# Altium PCB rf_test_source.PcbDoc (part 1 of 2) (continued)
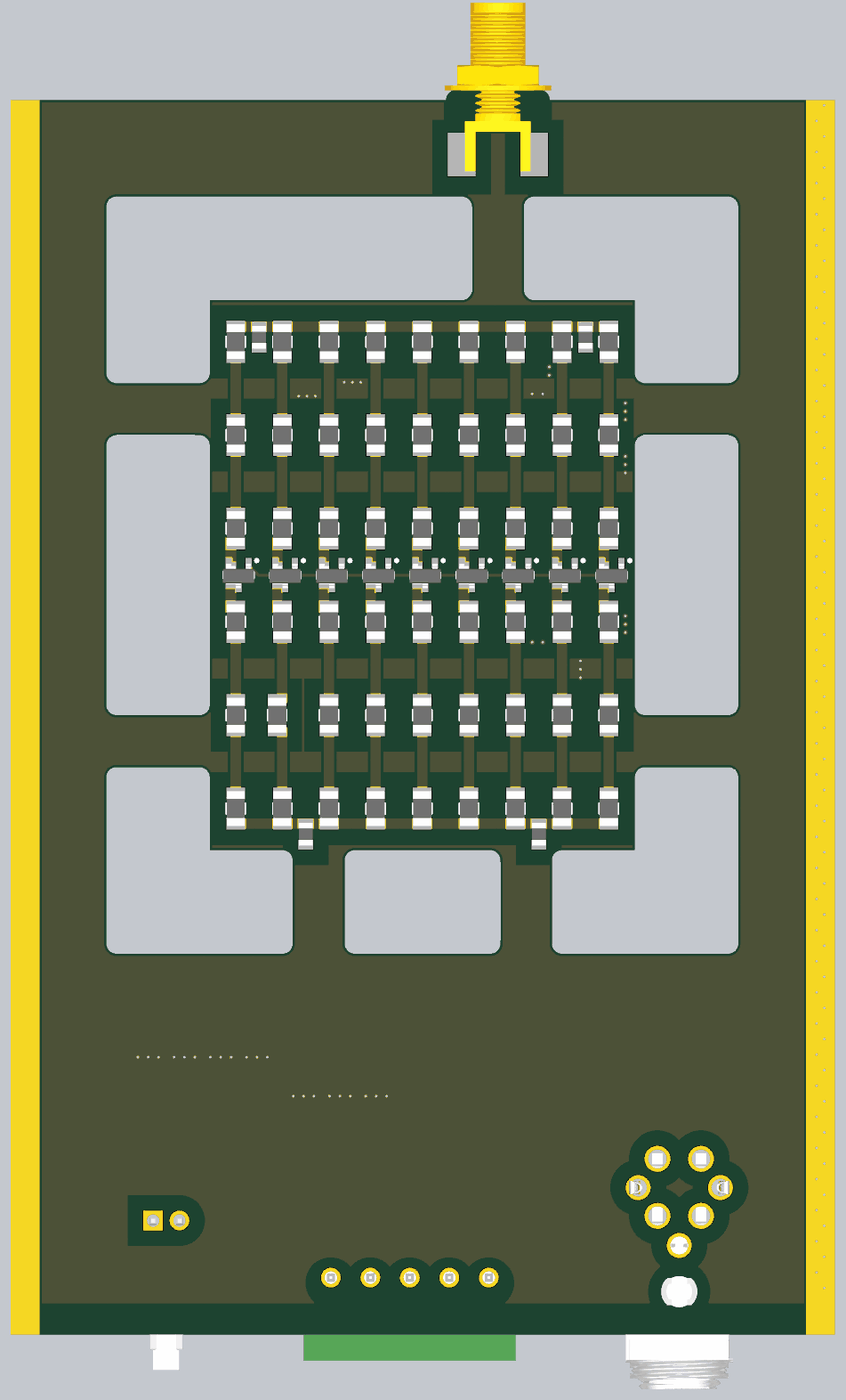
[diagram p6: 3D render of the assembled board from below, using the file's embedded part models]

## Layer stack, top to bottom
Top Solder: solder mask 0.0152, Solder Resist, Dk 3.8
Top Layer: signal copper 0.035
Dielectric 1: prepreg 0.138, PP-006, Dk 4.4
GND: signal copper 0.035
Core: dielectric 1.13, FR-4, Dk 4.6
Inner Layer 2: signal copper 0.035
Dielectric 3: prepreg 0.138, PP-006, Dk 4.4
Bottom Layer: signal copper 0.035
Bottom Solder: solder mask 0.0152, Solder Resist, Dk 3.8

## Board outline
0,0 0,119 79.5,119 79.5,0
cut-out: 33.275,36.715 cw(c33.25,37.715) 32.25,37.715 32.25,45.715 cw(c33.25,45.715) 33.275,46.715 33.3,46.715 46.3,46.715 cw(c46.3,45.715) 47.3,45.715 47.3,37.715 cw(c46.3,37.715) 46.3,36.715
cut-out: 52.3,37.715 52.3,45.715 cw(c53.3,45.715) 53.3,46.715 60.3,46.715 60.3,53.715 cw(c61.3,53.715) 61.3,54.715 69.3,54.715 cw(c69.3,53.715) 70.3,53.715 70.3,37.715 cw(c69.3,37.715) 69.298,36.715 63.298,36.715 53.3,36.715 cw(c53.3,37.715)
cut-out: 9.3,37.717 9.3,43.717 9.3,53.715 cw(c10.3,53.715) 10.3,54.715 18.3,54.715 cw(c18.3,53.715) 19.3,53.715 19.3,46.715 26.3,46.715 cw(c26.3,45.715) 27.3,45.715 27.3,37.715 cw(c26.3,37.715) 26.3,36.715 10.3,36.715 cw(c10.3,37.715)
cut-out: 60.853,59.82 cw(c61.3,60.715) 60.3,60.715 60.3,85.715 cw(c61.3,85.715) 61.3,86.715 69.3,86.715 cw(c69.3,85.715) 70.3,85.715 70.3,60.715 cw(c69.3,60.715) 69.3,59.715 61.3,59.715 cw(c61.3,60.715)
cut-out: 9.853,59.82 cw(c10.3,60.715) 9.3,60.715 9.3,85.715 cw(c10.3,85.715) 10.3,86.715 18.3,86.715 cw(c18.3,85.715) 19.3,85.715 19.3,60.715 cw(c18.3,60.715) 18.3,59.715 10.3,59.715 cw(c10.3,60.715)
cut-out: 60.853,59.82 cw(c61.3,60.715) 60.3,60.715 60.3,85.715 cw(c61.3,85.715) 61.3,86.715 69.3,86.715 cw(c69.3,85.715) 70.3,85.715 70.3,60.715 cw(c69.3,60.715) 69.3,59.715 61.3,59.715 cw(c61.3,60.715)
cut-out: 36,99.715 cw(c36,100.715) 35,100.715 35,108.5 35.005,108.608 cw(c36,108.715) 36,109.715 69.3,109.715 cw(c69.3,108.715) 70.3,108.715 70.3,92.715 cw(c69.3,92.715) 69.3,91.715 61.3,91.715 cw(c61.3,92.715) 60.3,92.715 60.3,99.715
cut-out: 27.5,117 27.5,119 cw(c28.5,119) 28.5,120 36.5,120 cw(c36.5,119) 37.5,119 37.5,117 cw(c36.5,117) 36.5,116 28.5,116 cw(c28.5,117)
cut-out: 10.3,91.715 cw(c10.3,92.715) 9.3,92.715 9.3,108.715 cw(c10.3,108.715) 10.3,109.715 29,109.715 cw(c29,108.715) 30,108.715 30,100.715 cw(c29,100.715) 29,99.715 19.3,99.715 19.3,92.715 cw(c18.3,92.715) 18.3,91.715

## Design rules (kind name [scope] priority, off if disabled: settings)
AcuteAngle [All] p1: minimum=4.50000000000000E+0001 checktracksonly=TRUE
BoardOutlineClearance [All] p1: gap=0.2 ignorepadtopadclearanceinfootprint=FALSE
Clearance Clearance_balancing [InNamedPolygon('balancing')] p1: gap=0.21 ignorepadtopadclearanceinfootprint=FALSE except(0.25: Arc-Fill Arc-Poly Arc-Region Track-Fill Track-Poly Track-Region; 0.5: Via-Fill Via-Poly Via-Region; 1.5: SMDPad-Fill SMDPad-Poly SMDPad-Region THPad-Fill THPad-Poly THPad-Region)
Clearance Clearance_ViaInPadThermal [IsPad and InNet('GND') vs IsVia] p2: gap=0 ignorepadtopadclearanceinfootprint=FALSE except(-1: SMDPad-Via THPad-Via)
Clearance Clearance_ViaInPad [IsPad vs IsVia] p3: gap=0 ignorepadtopadclearanceinfootprint=FALSE except(0.01: SMDPad-Via)
Clearance Clearance_DiffPairs [(InDifferentialPairClass('All Differential Pairs'))] p4: gap=0.127 ignorepadtopadclearanceinfootprint=FALSE except(0.12: Arc-Arc Arc-Track Track-Track; 0.25: Arc-Hole Track-Hole SMDPad-Hole THPad-Hole Via-Hole Fill-Hole Poly-Hole Region-Hole Text-Hole; 0.5: Arc-Fill Arc-Poly Arc-Region Track-Fill Track-Poly Track-Region)
Clearance [All] p5: gap=0.127 ignorepadtopadclearanceinfootprint=FALSE except(0.12: Arc-Arc Arc-Track Track-Track; 0.25: Arc-Hole Track-Hole SMDPad-Hole THPad-Hole Via-Hole Fill-Hole Poly-Hole Region-Hole Text-Hole)
DiffPairsRouting DiffPairsRouting_ETH [InDifferentialPairClass('ETH')] p1: maxlimit=0.254 minlimit=0.15 mostfreqgap=0.254 toplayer_mingap=0.18 toplayer_maxgap=0.18 toplayer_prefgap=0.18 toplayer_minwidth=0.19 toplayer_maxwidth=0.19 toplayer_prefwidth=0.19 bottomlayer_mingap=0.18 bottomlayer_maxgap=0.18 bottomlayer_prefgap=0.18 bottomlayer_minwidth=0.19 bottomlayer_maxwidth=0.19 bottomlayer_prefwidth=0.19 impedanceprofiledriven=TRUE impedanceprofileid={9262DCC5-21B2-42F0-AE62-9C07079FD9D1} impedanceprofilevalue=100.000000 maxuncoupledlength=12.7
DiffPairsRouting DiffPairsRouting_USB [InDifferentialPairClass('USB')] p2: maxlimit=0.254 minlimit=0.12 mostfreqgap=0.254 toplayer_mingap=0.165 toplayer_maxgap=0.165 toplayer_prefgap=0.165 toplayer_minwidth=0.23 toplayer_maxwidth=0.23 toplayer_prefwidth=0.23 bottomlayer_mingap=0.165 bottomlayer_maxgap=0.165 bottomlayer_prefgap=0.165 bottomlayer_minwidth=0.23 bottomlayer_maxwidth=0.23 bottomlayer_prefwidth=0.23 impedanceprofiledriven=TRUE impedanceprofileid={8D4277C8-22E8-44B8-81B9-C39E21E3F32A} impedanceprofilevalue=90.000000 maxuncoupledlength=12.7
DiffPairsRouting [All] p3: maxlimit=0.102 minlimit=0.102 mostfreqgap=0.102 toplayer_minwidth=0.102 toplayer_maxwidth=1816.048 toplayer_prefwidth=0.102 midlayer1_minwidth=0.102 midlayer1_maxwidth=1816.048 midlayer1_prefwidth=0.102 midlayer2_minwidth=0.102 midlayer2_maxwidth=1816.048 midlayer2_prefwidth=0.102 bottomlayer_minwidth=0.102 bottomlayer_maxwidth=1816.048 bottomlayer_prefwidth=0.102 maxuncoupledlength=12.7
Height [All] p1: minheight=0 maxheight=1816.048 prefheight=12.7
HoleSize [All] p1: absolutevalues=TRUE maxlimit=6.3 minlimit=0.2 maxpercent=80.000 minpercent=20.000
HoleToHoleClearance [All] p1: gap=0.25 allowstackedmicrovias=FALSE
MinimumAnnularRing [All] p1: minimumring=0.076
MinimumSolderMaskSliver [All] p1: minsoldermaskwidth=0
PlaneClearance [All] p1: clearance=0.102
PlaneConnect PlaneConnectPowerPads [InPadClass('PowerPads')] p1: planeconnectstyle=Direct reliefexpansion=0.508 reliefentries=4 reliefconductorwidth=0.254 reliefairgap=0.254
PlaneConnect [All] p2: pad.planeconnectstyle=Relief pad.reliefexpansion=0.3 pad.reliefentries=4 pad.reliefconductorwidth=0.102 pad.reliefairgap=0.102 via.planeconnectstyle=Direct via.reliefexpansion=0.3 via.reliefentries=4 via.reliefconductorwidth=0.127 via.reliefairgap=0.127
PolygonConnect PolygonConnectPowerPads [All vs (InPadClass('PowerPads'))] p1: connectstyle=Direct reliefconductorwidth=0.254 reliefentries=4 polygonreliefangle="90 Angle" airgapwidth=0.254
PolygonConnect [All] p2: thpad.connectstyle=Relief thpad.reliefconductorwidth=0.102 thpad.reliefentries=4 thpad.polygonreliefangle="90 Angle" thpad.airgapwidth=0.102 smdpad.connectstyle=Direct smdpad.reliefconductorwidth=0.102 smdpad.reliefentries=4 smdpad.polygonreliefangle="90 Angle" smdpad.airgapwidth=0.102 via.connectstyle=Direct via.reliefconductorwidth=0.127 via.reliefentries=4 via.polygonreliefangle="90 Angle" via.airgapwidth=0.127
RoutingVias [All] p1: holewidth=0.25 width=0.5 viastyle="Through Hole" minholewidth=0.25 minwidth=0.5 maxholewidth=6.3 maxwidth=6.55
SilkToSilkClearance [All] p1: silktosilkclearance=0
SilkToSolderMaskClearance [IsPad] p1: minsilkscreentomaskgap=0.102 clearancetoexposedcopper=TRUE
SolderMaskExpansion [IsVia] p1: expansion=0.075 istentingtop=TRUE
SolderMaskExpansion SolderMaskExpansion_Via [All] p2: expansion=0.075 istentingtop=FALSE
Width [All] p1: maxlimit=1816.048 minlimit=0.152 preferedwidth=0.254
21 further rules are at their usual default settings.

## Classes and differential pairs
net class PWR: P12V0
net class 50Ohm: RF_FLT_IN RF_FLT_OUT

## Components (designator, comment, footprint, x,y, rotation, side; value= is the part's Value field where it differs from the comment)
C1 "100nF" CAPC1608X87N 47.309,53.465 r180 top
C2 "100nF" CAPC1608X87N 49.8,60.215 r270 top
C3 "100nF" CAPC1608X87N 47.309,54.965 r180 top
C4 "22uF" CAPC3225X140N 22.25,16 r90 top
C5 "22uF" CAPC3225X140N 44.25,20.5 r270 top
C6 "22uF" CAPC3225X140N 47.75,20.5 r270 top
C7 "100nF" CAPC1608X87N 47.309,51.965 r0 top
C8 "100nF" CAPC1608X87N 43.3,51.215 r0 top
C9 "100nF" CAPC1608X87N 37.55,51.965 r90 top
C10 "470pF" CAPC1005X55N 58.3,15 r180 top
C11 "22uF" CAPC3225X140N 51.25,20.5 r270 top
C12 "22uF" CAPC3225X140N 55.75,24.25 r270 top
C13 "22uF" CAPC3225X140N 59.25,24.25 r270 top
C14 "22uF" CAPC3225X140N 62.75,24.25 r270 top
C15 "22pF" CAPC1005X55N 56,15 r0 top
C16 "22uF" CAPC3225X140N 66.25,24.25 r270 top
C17 "4.7uF" CAPC3216X180N 69.75,17.5 r270 top
C18 "100pF" CAPC1608X87N 28.8,54.715 r270 top
C19 "4.7uF" CAPC3216X180N 62.75,15.25 r270 top
C20 "22uF" CAPC2012X135N 27.8,57.465 r180 top
C21 "4.7uF" CAPC3216X180N 51.852,54.465 r90 top
C22 "100nF" CAPC1608X87N 55.05,49.465 r180 top
C23 "4.7uF" CAPC3216X180N 58.3,54.465 r90 top
C24 "1uF" CAPC1608X87N 43.946,60.465 r180 top
C25 "100nF" CAPC1005X55N 41.05,60.742 r0 top
C26 "100nF" CAPC1005X55N 25.3,50.953 r90 top
C27 "10uF" CAPC2012X135N 27.8,51.965 r180 top
C28 "100nF" CAPC1005X55N 23.25,59 r0 top
C29 "100nF" CAPC1608X87N 55.05,70.465 r0 top
C30 "22uF" CAPC3225X140N 53.1,61.1 r0 top
D1 "SMBJ12A" DIOM5336X265N 45.5,14 r270 top
D2 "BZX84C6V2" SOT95P248X115-3N 31.55,54.715 r270 top
FL1 "10A/50VDC" FIL_MURATA_BNX02 33.5,16 r0 top
FLT1 "BPF-E16+" HR1176 36.3,78.715 r90 top
FLT2 "BPF-C45+" HU1186 36.3,78.715 r0 top
IC1 "LTC6957IDD-3#PBF" SON45P300X300X80-13N-R175X248 41.05,54.215 r180 top
IC2 "MPM3630GQV-Z" MPM3610A 56.5,19.25 r90 top
IC3 "ADA4522-2ARMZ" SOP65P490X110-8N 24.023,55.215 r270 top
IC4 "LT3042EMSE#PBF" SOP50P490X110-11N-R168X198 66.25,18.25 r270 top
IC5 "LT3042EMSE#PBF" SOP50P490X110-11N-R168X198 55.05,53.715 r90 top
IC6 "TMP235A2DBZR" FP-DBZ0003A-MFG 40.3,58.215 r270 top
IC7 "LTC6655BHMS8-3.3#PBF" SOP65P490X110-8N 55.05,66.215 r270 top
J1 "Mini-Fit Jr.™" MOLEX_39-30-0040 15,14.2 r180 top
J2 "SMA" MOLEX_73251-2121 32.5,113.75 r270 top
J3 "Jack" SWITCHCRAFT_712RA 15,8.6 r0 top
J4 "" PHOENIX_1803303 41,5.5 r0 top
J5 "KK®" MOLEX_22-05-7028 64.5,11 r180 top
LD1 "Green" LED_KINGBRIGHT_KPH-1608CGCK 18,29.5 r90 top
LD2 "Green" LED_KINGBRIGHT_KPH-1608CGCK 15,29.5 r90 top
LD3 "Green" LED_KINGBRIGHT_KPH-1608CGCK 12,29.5 r90 top
OSC1 "12-16MHz" OSC_TAITIEN_3.2X2.5X1.0 47.298,57.965 r0 top value=12-16Mhz
R1 "75" RESC1608X55N 49.8,55.715 r270 top
R2 "36R5" RESC1005X40N 37.5,54.2 r180 top
R3 "100" RESC1608X64N 49.8,52.715 r90 top
R4 "50" RES_VISHAY_FC0603 44.8,54.215 r270 top
R5 "0" RESC1608X55N 44.746,57.965 r270 top
R6 "0" RESC1608X55N 37.8,57.215 r270 top
R7 "0" RESC1608X55N 40.05,51.215 r180 top
R8 "0" RESC1608X55N 43.05,57.965 r90 top
R9 "0" RESC1608X55N 46.596,49.421 r180 top
R10 "0" RESC1608X55N 43.346,49.421 r0 top
R11 "4R7" RESC1005X40N 58.28,16.25 r180 top
R12 "100k" RESC1005X40N 52,15.75 r270 top
R13 "0" RESC1608X55N 49.846,49.421 r180 top
R14 "0" RESC1608X55N 40.046,49.421 r0 top
R15 "10k" RESC1005X40N 53.25,15.75 r90 top
R16 "51k" RESC1005X40N 56,13.75 r0 top
R17 "0" RESC2012X60N 41,9.25 r90 top
R18 "1k" RESC1608X55N 23.05,50.965 r0 top
R19 "5k62" RESC1005X40N 56,16.25 r180 top
R20 "0" RESC2012X60N 28.55,48.25 r270 bottom
R21 "0" RESC2012X60N 51.05,48.25 r270 bottom
R22 "1k" RESC1608X55N 21.25,54.75 r270 top
R23 "43" RESC3216X65N 57.8,50.715 r270 bottom
R24 "43" RESC3216X65N 53.3,50.715 r270 bottom
R25 "43" RESC3216X65N 48.8,50.715 r270 bottom
R26 "43" RESC3216X65N 44.3,50.715 r270 bottom
R27 "43" RESC3216X65N 39.8,50.715 r270 bottom
R28 "43" RESC3216X65N 35.3,50.715 r270 bottom
R29 "43" RESC3216X65N 30.8,50.715 r270 bottom
R30 "43" RESC3216X65N 26.3,50.715 r270 bottom
R31 "43" RESC3216X65N 21.8,50.715 r270 bottom
R32 "49k9" RESC1608X55N 66,13.75 r180 top
R33 "43" RESC3216X65N 57.8,59.715 r270 bottom
R34 "43" RESC3216X65N 53.8,59.715 r270 bottom
R35 "43" RESC3216X65N 48.8,59.715 r270 bottom
R36 "43" RESC3216X65N 44.3,59.715 r270 bottom
R37 "43" RESC3216X65N 39.8,59.715 r270 bottom
R38 "43" RESC3216X65N 35.3,59.715 r270 bottom
R39 "43" RESC3216X65N 30.8,59.715 r270 bottom
R40 "43" RESC3216X65N 26.3,59.715 r270 bottom
R41 "43" RESC3216X65N 21.8,59.715 r270 bottom
R42 "10M" RESC1608X55N 26.8,54.715 r270 top
R43 "43" RESC3216X65N 57.8,68.715 r270 bottom
R44 "43" RESC3216X65N 53.3,68.715 r270 bottom
R45 "43" RESC3216X65N 48.8,68.715 r270 bottom
R46 "43" RESC3216X65N 44.3,68.715 r270 bottom
R47 "43" RESC3216X65N 39.8,68.715 r270 bottom
R48 "43" RESC3216X65N 35.3,68.715 r270 bottom
R49 "43" RESC3216X65N 30.8,68.715 r270 bottom
R50 "43" RESC3216X65N 26.3,68.715 r270 bottom
R51 "43" RESC3216X65N 21.8,68.715 r270 bottom
R52 "0" RESC1608X55N 58.275,73.215 r270 bottom
R53 "0" RESC1608X55N 53.775,73.215 r270 bottom
R54 "0" RESC1608X55N 49.275,73.215 r270 bottom
R55 "0" RESC1608X55N 44.775,73.215 r270 bottom
R56 "0" RESC1608X55N 40.275,73.215 r270 bottom
R57 "0" RESC1608X55N 35.775,73.215 r270 bottom
R58 "0" RESC1608X55N 31.275,73.215 r270 bottom
R59 "0" RESC1608X55N 26.775,73.215 r270 bottom
R60 "0" RESC1608X55N 22.275,73.215 r270 bottom
R61 "1k" RESC1608X55N 31.25,59.5 r0 top
R62 "100k" RESC1608X55N 31.25,57.75 r180 top
R63 "10k" RESC1608X55N 31.3,51.715 r180 top
R64 "33k2" RESC1608X55N 54.05,57.915 r0 top
R65 "43" RESC3216X65N 57.8,77.715 r270 bottom
R66 "43" RESC3216X65N 53.3,77.715 r270 bottom
R67 "43" RESC3216X65N 48.8,77.715 r270 bottom
R68 "43" RESC3216X65N 44.3,77.715 r270 bottom
R69 "43" RESC3216X65N 39.8,77.715 r270 bottom
R70 "43" RESC3216X65N 35.3,77.715 r270 bottom
R71 "43" RESC3216X65N 30.8,77.715 r270 bottom
R72 "43" RESC3216X65N 26.3,77.715 r270 bottom
R73 "43" RESC3216X65N 21.8,77.715 r270 bottom
R74 "0" RESC1005X40N 34.25,60.5 r180 top
R75 "43" RESC3216X65N 57.8,86.715 r270 bottom
R76 "43" RESC3216X65N 53.3,86.715 r270 bottom
R77 "43" RESC3216X65N 48.8,86.715 r270 bottom
R78 "43" RESC3216X65N 44.3,86.715 r270 bottom
R79 "43" RESC3216X65N 39.8,86.715 r270 bottom
R80 "43" RESC3216X65N 35.3,86.715 r270 bottom
R81 "43" RESC3216X65N 30.8,86.715 r270 bottom
R82 "43" RESC3216X65N 26.3,86.715 r270 bottom
R83 "43" RESC3216X65N 21.8,86.715 r270 bottom
R84 "1k" RESC1608X55N 56.388,58.663 r270 top
R85 "10k" RESC1608X55N 23.55,60.469 r0 top
R86 "43" RESC3216X65N 57.8,95.715 r270 bottom
R87 "43" RESC3216X65N 53.3,95.715 r270 bottom
R88 "43" RESC3216X65N 48.8,95.715 r270 bottom
R89 "43" RESC3216X65N 44.3,95.715 r270 bottom
R90 "43" RESC3216X65N 39.8,95.715 r270 bottom
R91 "43" RESC3216X65N 35.3,95.715 r270 bottom
R92 "43" RESC3216X65N 30.8,95.715 r270 bottom
R93 "43" RESC3216X65N 26.3,95.715 r270 bottom
R94 "43" RESC3216X65N 21.8,95.715 r270 bottom
R95 "0" RESC2012X60N 24.05,96.15 r90 bottom
R96 "0" RESC2012X60N 55.55,96.15 r90 bottom
R97 "0" RESC1005X40N 33,97 r180 top
R98 "20k" RESC1608X55N 26.8,60.465 r0 top
R99 "0" RESC1005X40N 35.25,60.5 r0 top
R100 "0" RESC1005X40N 32,97 r0 top
R101 "2k4" RESC1005X40N 18,32.5 r270 top
R102 "5k1" RESC1005X40N 15,32.5 r270 top
R103 "10k" RESC1005X40N 12,32.5 r90 top
RT1 "10k" THERMC1608X90N 37.8,60.465 r90 top
T1 "PMV40UN2" SOT95P230X110-3N 57.525,73.215 r270 bottom
T2 "PMV40UN2" SOT95P230X110-3N 53.025,73.215 r270 bottom
T3 "PMV40UN2" SOT95P230X110-3N 48.525,73.215 r270 bottom
T4 "PMV40UN2" SOT95P230X110-3N 44.025,73.215 r270 bottom
T5 "PMV40UN2" SOT95P230X110-3N 39.525,73.215 r270 bottom
T6 "PMV40UN2" SOT95P230X110-3N 35.025,73.215 r270 bottom
T7 "PMV40UN2" SOT95P230X110-3N 30.525,73.215 r270 bottom
T8 "PMV40UN2" SOT95P230X110-3N 26.025,73.215 r270 bottom
T9 "PMV40UN2" SOT95P230X110-3N 21.525,73.215 r270 bottom
TP1 "Test Point" TPS127 58.3,61.465 r180 top
TP2 "Test Point" TPS127 58.3,58.077 r180 top
TP3 "Test Point" TPS127 51.55,57.965 r180 top
TP4 "Test Point" TPS127 58.3,50.965 r180 top

## Footprints (in the part's own frame and the unit in brackets; to place one, negate y for a bottom-side part, rotate by r counter-clockwise, add the part's x,y. Pads: shape width x height; smd on the part's side, far side on the other; paste and mask are expansions set on the pad)
CAPC1005X55N [mm] "Capacitor, Non-Polarized, Chip; 1.00mm L X 0.50mm W X 0.70mm H, IPC Medium Density"
  rect 0.62x0.62 smd: 1(-0.45,0) 2(0.45,0)
  body extent -0.52,-0.27 0.53,0.28, height 0.55
CAPC1608X87N [mm] "Chip Capacitor, Body 1.6x0.8mm IPC Medium Density"
  rect 0.95x1 smd: 1(-0.8,0) 2(0.8,0)
  body extent -0.87,-0.47 0.88,0.48, height 0.87
CAPC2012X135N [mm] "Chip Capacitor, Body 2.0x1.25mm, IPC Medium Density"
  rect 1.05x1.4 smd: 1(-0.9,0) 2(0.9,0)
  silkscreen extent 0,-0.58 0,0.57, body extent -1.05,-0.67 1.05,0.68, height 1.25
CAPC3216X180N [mm] "Chip Capacitor, Body 3.2x1.6mm, IPC Medium Density"
  rect 1.15x1.8 smd: 1(-1.5,0) 2(1.5,0)
  silkscreen extent -0.55,-0.8 0.55,0.8, body extent -1.7,-0.9 1.7,0.9, height 1.8
CAPC3225X140N [mm] "Chip Capacitor, Body 3.2x2.5mm, IPC Medium Density"
  rect 1.15x2.7 smd: 1(-1.5,0) 2(1.5,0)
  silkscreen extent -0.55,-1.25 0.55,1.25, body extent -1.7,-1.35 1.7,1.35, height 1.4
DIOM5336X265N [mm] "DO-214-AA/SMB Diode, Molded Body; 5.34mm L X 3.625mm W X 2.65mm H, IPC Medium Density"
  rect 2.3x2.15 smd: 1(-2.15,0) 2(2.15,0)
  silkscreen extent -3.92,-1.8 2.65,1.8, body extent -2.7,-1.95 2.7,1.95, height 2.4
FIL_MURATA_BNX02 [mm] "Block Type EMIFIL LC Combined Type, BNX02* Series"
  rect 3.8x2.5 smd: 1(-6.85,2.1) 2(6.85,2.1) 3(-6.85,-2.2) 4(6.85,-2.2)
  rect 7.9x2.3 smd: 4(1,-5.1)
  rect 3.4x2.3 smd: 4(3.25,5.1)
  silkscreen extent -5.95,-4.45 7.77,5.05, body extent -6.05,-4.55 6.05,4.55, height 3.1
FP-DBZ0003A-MFG [mm]
  rrect17% 1.3x0.6 smd paste+0 mask+0: 1(-1.05,0.95) 2(-1.05,-0.95) 3(1.05,0)
  silkscreen extent -0.7,-1.52 0.7,1.52, body extent -1.8,-1.62 1.8,1.62, height 0.25
HR1176 [mm] "Mini-Circuits HR1176 package"
  rect 2.01x2.31 smd: 1(-10.26,-14.595) 2(-5.13,-14.595) 3(0,-14.595) 4(5.13,-14.595) 5(10.26,-14.595) 11(10.26,14.595) 12(5.13,14.595) 13(0,14.595) 14(-5.13,14.595) 15(-10.26,14.595)
  rect 2.31x2.01 smd: 6(14.595,-10.26) 7(14.595,-5.13) 8(14.595,0) 9(14.595,5.13) 10(14.595,10.26) 16(-14.595,10.26) 17(-14.595,5.13) 18(-14.595,0) 19(-14.595,-5.13) 20(-14.595,-10.26)
  silkscreen extent -15.5,-16 15.5,15.5
HU1186 [mm] "Mini-Circuits HU1186 package"
  rect 1.52x1.52 smd: 1(-7.62,-10.795) 2(-5.08,-10.795) 3(-2.54,-10.795) 4(0,-10.795) 5(2.54,-10.795) 6(5.08,-10.795) 7(7.62,-10.795) 8(7.62,10.795) 9(5.08,10.795) 10(2.54,10.795) 11(0,10.795) 12(-2.54,10.795) 13(-5.08,10.795) 14(-7.62,10.795)
  silkscreen extent -10.5,-12.19 10.5,11
LED_KINGBRIGHT_KPH-1608CGCK [mm] "SMT Green LED, Case 0603, Body L 1.6 x W 0.8mm H 0.65mm"
  rect 0.8x0.8 smd: 1(-0.825,0) 2(0.825,0)
  silkscreen extent -1.82,-0.4 0.08,0.4, body extent -0.8,-0.4 0.8,0.4, height 0.65
MOLEX_22-05-7028 [mm] "2.54mm (.100\") Pitch KK® Wire-To-Board Header, Right Angle, With Friction Lock, 2 Circuits"
  rect 1.9x1.9 hole 1.2: 1(-1.27,0.002)
  round 1.9 hole 1.2: 2(1.27,-0.002)
  silkscreen extent -2.54,1.21 2.54,14.42, body extent -2.54,-0.32 2.54,14.42, height 5.84
MOLEX_39-30-0040 [mm] "4.20mm (.165\") Pitch Mini-Fit Jr. Header, Dual Row, Right Angle with Snap-in Plastic Peg PCB Lock, 4 Circuits"
  round 2.5 hole 1.8: 1(-2.1,2.75) 2(2.1,2.75) 3(-2.1,-2.75) 4(2.1,-2.75)
  round 1 hole 3 unplated mask+1: 5(0,10.05)
  silkscreen extent -5.2,-1.24 4.8,16.65, body extent -5.2,-3.28 4.8,16.65, height 11.4
MOLEX_73251-2121 [mm] "50 Ohm, SMA Edge Mount PCB, With Jam Nut And Lock Washer"
  rect 4.19x1.78 smd: 1(0,0)
  rect 4.19x2.665 smd: 2(0,3.492) 2(0,-3.492)
  rect 4.19x2.665 smd far side: 2(0,3.492) 2(0,-3.492)
  silkscreen extent -14.64,-5.13 -2.44,5.13, body extent -14.64,-5.13 1.62,5.13, height 5.76
MPM3610A [mm] "MPM3610A, Body 3,00x5,00mm, Pitch 0,50mm, IPC Medium Density"
  rect 0.8x0.25 smd: 1(-1.4,1.55) 12(1.4,1.55)
  rect 1.1x0.25 smd: 2(-1.25,0.9) 3(-1.25,0.25) 4(-1.25,-0.4) 5(-1.25,-1.25) 6(-1.25,-2.1) 7(1.25,-2.1) 8(1.25,-1.25) 9(1.25,-0.4) 10(1.25,0.25) 11(1.25,0.9)
  rect 0.25x0.7 smd: 13(1.25,2.45) 14(0.75,2.45) 17(-0.75,2.45) 18(-1.25,2.45)
  rect 0.25x1.1 smd: 15(0.25,2.25) 16(-0.25,2.25)
  Top Layer region: -0.7,-2.225 -0.7,-0.275 -1.3,-0.275 -1.3,-2.225
  Top Layer region: 1.3,-2.225 1.3,-0.275 0.7,-0.275 0.7,-2.225
  silkscreen extent -2.47,-2.7 1.7,2.7, body extent -1.55,-2.55 1.55,2.55, height 1.65
OSC_TAITIEN_3.2X2.5X1.0 [mm] "Oscillator, Corner Concave, 4 Pin, 3.2mm L X 2.5mm W X 1mm H"
  rect 0.9x1 smd: 1(-0.9,1.2) 2(-0.9,-1.2) 3(0.9,-1.2) 4(0.9,1.2)
  silkscreen extent -1.55,-1.6 1.25,2.42, body extent -1.25,-1.6 1.25,1.6, height 1
PHOENIX_1803303 [mm] "PHOENIX MC Serie, Pitch 3.81mm, 8A, 160V, 5 Positions Right Angled Header"
  round 1.9 hole 1.2: 1(-7.62,0) 2(-3.81,0) 3(0,0) 4(3.81,0) 5(7.62,0)
  silkscreen extent -10.22,-8 10.22,1.2, body extent -10.22,-8 10.22,1.3, height 7.25
RES_VISHAY_FC0603 [mm] "EIA 0603, Metric 1608, High Frequency (up to 40 GHz) Thin Film Surface Mount Chip Resistor, 1.62mm L X 0.813mm W X 0.038mm H"
  rect 0.787x0.864 smd: 1(-0.775,0) 2(0.775,0)
  body extent -0.81,-0.41 0.81,0.41, height 0.38
RESC1005X40N [mm] "Chip Resistor, EIA 0402, Metric 1005, Body 1.0x0.5mm, IPC Medium Density"
  rect 0.58x0.62 smd: 1(-0.47,0) 2(0.47,0)
  body extent -0.52,-0.27 0.53,0.28, height 0.4
RESC1608X55N [mm] "Chip Resistor, EIA 0603, Metric 1608, Body 1.6x0.8mm, IPC Medium Density"
  rect 0.9x1 smd: 1(-0.8,0) 2(0.8,0)
  body extent -0.87,-0.47 0.88,0.48, height 0.55
RESC1608X64N [mm] "Chip Resistor, EIA 0603, Metric 1608, Body 1.6x0.8mm, IPC Medium Density"
  rect 0.85x1 smd: 1(-0.8,0) 2(0.8,0)
  body extent -0.87,-0.47 0.88,0.48, height 0.64
RESC2012X60N [mm] "Chip Resistor, EIA 0805, Metric 2012, Body 2.0x1.2mm, IPC Medium Density"
  rect 0.95x1.4 smd: 1(-1,0) 2(1,0)
  silkscreen extent 0,-0.55 0,0.55, body extent -1.1,-0.67 1.1,0.68, height 0.6
RESC3216X65N [mm] "Chip Resistor, EIA 1206, Metric 3216, Body 3.2x1.6mm, IPC Medium Density"
  rect 1.15x1.8 smd: 1(-1.45,0) 2(1.45,0)
  silkscreen extent -0.5,-0.9 0.5,0.9, body extent -1.67,-0.87 1.68,0.88, height 0.65
SON45P300X300X80-13N-R175X248 [mm] "SON, 0.45mm Pitch; 12 Pin, 3.00mm W X 3.00mm L X 0.80mm H Body (w/Thermal tab 1.75 x 2.48mm), IPC Medium Density"
  rect 0.8x0.25 smd: 1(-1.5,1.125) 2(-1.5,0.675) 3(-1.5,0.225) 4(-1.5,-0.225) 5(-1.5,-0.675) 6(-1.5,-1.125) 7(1.5,-1.125) 8(1.5,-0.675) 9(1.5,-0.225) 10(1.5,0.225) 11(1.5,0.675) 12(1.5,1.125)
  rect 1.75x2.45 smd paste-0.37: 13(0,0)
  silkscreen extent -2.53,1 -2.28,1.25, body extent -1.5,-1.5 1.5,1.5, height 0.8
SOP50P490X110-11N-R168X198 [mm] "SOP, 0.50mm, Pitch; 10 pin, 3.00mm W X 3.00mm L X 1.10mm H body (w/thermal tab  1.68 X 1.98 mm), IPC Medium Density"
  rect 1.45x0.3 smd: 1(-2.2,1) 2(-2.2,0.5) 3(-2.2,0) 4(-2.2,-0.5) 5(-2.2,-1) 6(2.2,-1) 7(2.2,-0.5) 8(2.2,0) 9(2.2,0.5) 10(2.2,1)
  rect 1.68x1.98 smd: 11(0,0)
  silkscreen extent -2.77,-1.5 1.1,1.78, body extent -2.45,-1.55 2.45,1.55, height 1.1
SOP65P490X110-8N [mm] "SOP, 0.65mm pitch; 8 pin, 3.00mm W X 3.00mm L X 1.10mm H body, IPC Medium Density"
  rect 1.5x0.45 smd: 1(-2.2,0.975) 2(-2.2,0.325) 3(-2.2,-0.325) 4(-2.2,-0.975) 5(2.2,-0.975) 6(2.2,-0.325) 7(2.2,0.325) 8(2.2,0.975)
  silkscreen extent -2.82,-1.5 1.13,1.83, body extent -2.45,-1.55 2.45,1.55, height 1.1
SOT95P230X110-3N [mm] "SOT23, 3 pin, Pitch 0.95mm - 1.3mm W X 2.9mm L X 1.1mm H, IPC Medium Density"
  rect 1x0.6 smd: 1(-1.15,0.95) 2(-1.15,-0.95) 3(1.15,0)
  silkscreen extent -1.52,-1.45 0.33,1.87, body extent -1.08,-1.5 1.25,1.5, height 1.1
SOT95P248X115-3N [mm] "SOT, 0.95mm Pitch; 3 Pin, 1.315mm W X 2.95mm L X 1.15mm H body, IPC Medium Density"
  rect 1.05x0.6 smd: 1(-1.15,0.95) 2(-1.15,-0.95) 3(1.15,0)
  silkscreen extent -1.52,-1.5 0.3,1.88, body extent -1.27,-1.55 1.27,1.55, height 1.15
SWITCHCRAFT_712RA [mm] "2.5 mm Center Pin, 5A, 48VDC, Right Angle, Through Hole, Locking Power Jack Connector (Threaded Bushings)"
  round 2.4 hole 1.7: 1(-3.972,5.578) 2(0,0) 3(3.965,5.573)
  silkscreen extent -5.51,-13.85 5.51,4.04, body extent -5.51,-13.85 5.51,6.96, height 13.89
THERMC1608X90N [mm] "PTC Thermistors, Chip; 1.6mm L X 0.8mm W X 0.9mm H, IPC Medium Density"
  rect 0.95x1 smd: 1(-0.8,0) 2(0.8,0)
  body extent -0.87,-0.47 0.88,0.48, height 0.9
TPS127 [mm] "1.27 x  1.27mm SMD Test Point Area"
  rect 1.27x1.27 smd paste-1.27: 1(0,0)
  silkscreen extent -0.94,-0.94 0.94,0.94

## Part data
C1 C2 C3 C7 C8 C9 C22 C29: library part CC0603_100NF_50V_10%_X7R, "Non-polarised capacitor", Case=0603, Manufacturer=GENERIC, Manufacturer1 ComponentHeight=0.87mm, Manufacturer1 Example=PHYCOMP, Manufacturer1 Part Number=223858615649, Tolerance=±10%, Voltage=50V, Author="CERN DEM JLC", Component Type=Standard, CreateDate=03/12/2007, HelpURL=\\cern.ch\dfs\Applications\Altium\Datasheets\CC0603_X7R_PHYCOMP.pdf, LatestRevisionDate=03/12/2007, Manufacturer Part Number=CC0603_100NF_50V_10%_X7R, Mounted=Yes, Part Description="SMD Multilayer Chip Ceramic Capacitor", Part Number=CC0603_100NF_50V_10%_X7R, Pin Count=2, Sense=No, SMD=Yes, Socket=No, Status=Preferred, TC=X7R
C4 C5 C6 C11 C12 C13 C14 C16 C30: library part CC1210_22UF_25V_10%_X7R, "Non-polarised capacitor", Case=1210, Manufacturer=GENERIC, Manufacturer1 ComponentHeight=1.4mm, Manufacturer1 Example=KEMET, Manufacturer1 Part Number=C1210C226K3RAC, Tolerance=±10%, Voltage=25V, Author="CERN DEM BC", Component Type=Standard, CreateDate=20.08.2020, HelpURL=\\cern.ch\dfs\Applications\Altium\Datasheets\CC1210_X7R_KEMET.pdf, LatestRevisionDate=20.08.2020, Manufacturer Part Number=CC1210_22UF_25V_10%_X7R, Mounted=Yes, Part Description="SMD Multilayer Chip Ceramic Capacitor", Part Number=CC1210_22UF_25V_10%_X7R, Pin Count=2, Sense=No, SMD=Yes, Socket=No, Status=None, TC=X7R
C10: library part CC0402_470PF_50V_10%_X7R, "Non-polarised capacitor", Case=0402, Manufacturer=GENERIC, Manufacturer1 ComponentHeight=0.55mm, Manufacturer1 Example=PHYCOMP, Manufacturer1 Part Number=223858715618, Tolerance=±10%, Voltage=50V, Author="CERN DEM JLC", Component Type=Standard, CreateDate=03.12.2007, HelpURL=\\cern.ch\dfs\Applications\Altium\Datasheets\CC0402_NP0_PHYCOMP.pdf, LatestRevisionDate=03.12.2007, Manufacturer Part Number=CC0402_470PF_50V_10%_X7R, Mounted=Yes, Part Description="SMD Multilayer Chip Ceramic Capacitor", Part Number=CC0402_470PF_50V_10%_X7R, Pin Count=2, Sense=No, SMD=Yes, Socket=No, Status="Not Recommended", TC=X7R
C15: library part CC0402_22PF_50V_5%_C0G, "Non-polarised capacitor", Case=0402, Manufacturer=GENERIC, Manufacturer1 ComponentHeight=0.55mm, Manufacturer1 Example=KEMET, Manufacturer1 Part Number=C0402C220J5GACTU, Tolerance=±5%, Voltage=50V, Author="CERN DEM JLC", Component Type=Standard, CreateDate=03.12.2007, HelpURL="\\cern.ch\dfs\Applications\Altium\Datasheets\CC0402_C0G_KEMET_(Commercial Grade).pdf", LatestRevisionDate=03.12.2007, Manufacturer Part Number=CC0402_22PF_50V_5%_C0G, Mounted=Yes, Part Description="SMD Multilayer Chip Ceramic Capacitor", Part Number=CC0402_22PF_50V_5%_C0G, Pin Count=2, Sense=No, SMD=Yes, Socket=No, Status=Preferred, TC=C0G/NP0
C17 C19 C21 C23: library part CC1206_4.7UF_16V_10%_X5R, "Non-polarised capacitor", Case=1206, Manufacturer=GENERIC, Manufacturer1 ComponentHeight=1.8mm, Manufacturer1 Example=KEMET, Manufacturer1 Part Number=C1206C475K4PAC, Tolerance=±10%, Voltage=16V, Author="CERN DEM JLC", Component Type=Standard, CreateDate=03/12/2007, HelpURL=\\cern.ch\dfs\Applications\Altium\Datasheets\CC1206_X5R_KEMET.pdf, LatestRevisionDate=03/12/2007, Manufacturer Part Number=CC1206_4.7UF_16V_10%_X5R, Mounted=Yes, Part Description="SMD Multilayer Chip Ceramic Capacitor", Part Number=CC1206_4.7UF_16V_10%_X5R, Pin Count=2, Sense=No, SMD=Yes, Socket=No, Status=Preferred, TC=X5R
C18: library part CC0603_100PF_50V_5%_NP0, "Non-polarised capacitor", Case=0603, Manufacturer=GENERIC, Manufacturer1 ComponentHeight=0.87mm, Manufacturer1 Example=PHYCOMP, Manufacturer1 Part Number=223886715101, Tolerance=±5%, Voltage=50V, Author="CERN DEM JLC", Component Type=Standard, CreateDate=03.12.2007, HelpURL=\\cern.ch\dfs\Applications\Altium\Datasheets\CC0603_NP0_PHYCOMP.pdf, LatestRevisionDate=03.12.2007, Manufacturer Part Number=CC0603_100PF_50V_5%_NP0, Mounted=Yes, Part Description="SMD Multilayer Chip Ceramic Capacitor", Part Number=CC0603_100PF_50V_5%_NP0, Pin Count=2, Sense=No, SMD=Yes, Socket=No, Status=Preferred, TC=C0G/NP0
C20: library part CC0805_22UF_16V_10%_X5R, "Non-polarised capacitor", Case=0805, Manufacturer=GENERIC, Manufacturer1 ComponentHeight=1.35mm, Manufacturer1 Example=TDK, Manufacturer1 Part Number=C2012X5R1C226KT, Tolerance=±10%, Voltage=16V, Author="CERN DEM JLC", Component Type=Standard, CreateDate=25.10.2012, HelpURL=\\cern.ch\dfs\Applications\Altium\Datasheets\CC0805_X5R_TDK_C.pdf, LatestRevisionDate=25.10.2012, Manufacturer Part Number=CC0805_22UF_16V_10%_X5R, Mounted=Yes, Part Description="SMD Multilayer Chip Ceramic Capacitor", Part Number=CC0805_22UF_16V_10%_X5R, Pin Count=2, Sense=No, SMD=Yes, Socket=No, Status=Preferred, TC=X5R
C24: library part CC0603_1UF_25V_10%_X7R, "Non-polarised capacitor", Case=0603, Manufacturer=GENERIC, Manufacturer1 ComponentHeight=0.9mm, Manufacturer1 Example=MURATA, Manufacturer1 Part Number=GRM188R71E105KA12D, Tolerance=±10%, Voltage=25V, Author="CERN DEM JLC", Component Type=Standard, CreateDate=18.01.2011, HelpURL=\\cern.ch\dfs\Applications\Altium\Datasheets\CC0603_X7R_MURATA.pdf, LatestRevisionDate=18.01.2011, Manufacturer Part Number=CC0603_1UF_25V_10%_X7R, Mounted=Yes, Part Description="SMD Multilayer Chip Ceramic Capacitor", Part Number=CC0603_1UF_25V_10%_X7R, Pin Count=2, Sense=No, SMD=Yes, Socket=No, Status=None, TC=X7R
C25 C26 C28: library part CC0402_100NF_16V_10%_X7R, "Non-polarised capacitor", Case=0402, Manufacturer=GENERIC, Manufacturer1 ComponentHeight=0.55mm, Manufacturer1 Example=MURATA, Manufacturer1 Part Number=GRM155R71C104KA88D, Tolerance=±10%, Voltage=16V, Author="CERN DEM JLC", Component Type=Standard, CreateDate=05.12.2013, HelpURL=\\cern.ch\dfs\Applications\Altium\Datasheets\CC0402_X7R_MURATA_GRM.pdf, LatestRevisionDate=03.12.2007, Manufacturer Part Number=CC0402_100NF_16V_10%_X7R, Mounted=Yes, Part Description="SMD Multilayer Chip Ceramic Capacitor", Part Number=CC0402_100NF_16V_10%_X7R, Pin Count=2, Sense=No, SMD=Yes, Socket=No, Status="Not Recommended", TC=X7R
C27: library part CC0805_10UF_10V_10%_X7R, "Non-polarised capacitor", Case=0805, Manufacturer=GENERIC, Manufacturer1 ComponentHeight=1.35mm, Manufacturer1 Example=MURATA, Manufacturer1 Part Number=GRM21BR71A106KE51L, Tolerance=±10%, Voltage=10V, Author="CERN DEM JLC", Component Type=Standard, CreateDate=30.04.2012, HelpURL=\\cern.ch\dfs\Applications\Altium\Datasheets\CC0805_X7R_MURATA.pdf, LatestRevisionDate=30.04.2012, Manufacturer Part Number=CC0805_10UF_10V_10%_X7R, Mounted=Yes, Part Description="SMD Multilayer Chip Ceramic Capacitor", Part Number=CC0805_10UF_10V_10%_X7R, Pin Count=2, Sense=No, SMD=Yes, Socket=No, Status=Preferred, TC=X7R
D1: "Zener Diode", Case=DO-214AA, Manufacturer="FAIRCHILD SEMICONDUCTOR", Power=600W, Voltage=12V, Author="CERN DEM JLC", Bonding=No, Component Type=Standard, ComponentHeight=2.65mm, CreateDate=10.04.2013, Device=SMBJ12A, HelpURL=\\cern.ch\dfs\Applications\Altium\Datasheets\SMBJ.pdf, LatestRevisionDate=10.04.2013, Manufacturer Part Number=SMBJ12A, Mounted=Yes, PackageDescription="DO-214-AA/SMB Diode, Molded Body; 5.34mm L X 3.625mm W X 2.65mm H, IPC Medium Density", Part Description="Uni-Directional Transient Voltage Suppressor Diode", Part Number=SMBJ12A, Pin Count=2, PressFit=No, Sense=No, SMD=Yes, Socket=No
D2: "Diode Zener Anode Pin 1 Cathode Pin 3 (Pas de pin 2)", Case=SOT23-3, Manufacturer="VISHAY SEMICONDUCTORS", Power=300mW, Voltage=6V2, Author="CERN DEM BC", Bonding=No, Component Type=Standard, ComponentHeight=1.15mm, CreateDate=10.10.2019, Device=BZX84C6V2, HelpURL=\\cern.ch\dfs\Applications\Altium\Datasheets\BZX84C6V2.pdf, LatestRevisionDate=10.10.2019, Manufacturer Part Number=BZX84C6V2, Mounted=Yes, PackageDescription="SOT, 0.95mm Pitch; 3 Pin, 1.315mm W X 2.95mm L X 1.15mm H body, IPC Medium Density", Part Description="Small Signal Zener Diode", Part Number=BZX84C6V2, Pin Count=3, PressFit=No, Sense=No, SMD=Yes, Socket=No
FL1: library part FIL_MURATA_BNX022-01L, "Block Type EMIFIL (LC Combined)", Manufacturer=MURATA, Manufacturer Part Number=BNX022-01L, Resistance=0.5R, Author="CERN DEM JLC", Component Type=Standard, ComponentHeight=3.3mm, CreateDate=10.10.2012, HelpURL=\\cern.ch\dfs\Applications\Altium\Datasheets\FIL_MURATA_BNX022-01L.pdf, LatestRevisionDate=10.10.2012, Mounted=Yes, Part Description="Block Type EMIFIL (LC Combined) SMD Type, BNX02* Series", Part Number=FIL_MURATA_BNX022-01L, Pin Count=2, Sense=No, SMD=Yes, Socket=No, Status=None
FLT1: "Band Pass Filter, 16MHz", Average Input Power=500mW, Center or Cutoff Frequency (fo/fc)=16MHz, Manufacturer=Mini-Circuits, Max Operating Temperature=85°C, Min Operating Temperature=-40°C, Supplier Part Number 1=3157-BPF-E16+CT-ND, ComponentLink1Description=https://datasheet.ciiva.com:443/pdfs/VipMasterIC/IC/MINI/MINI-S-A0002947472/MINI-S-A0002947472-1.pdf?src-supplier=IHS+Markit, ComponentLink1URL=https://datasheet.ciiva.com:443/pdfs/VipMasterIC/IC/MINI/MINI-S-A0002947472/MINI-S-A0002947472-1.pdf?src-supplier=IHS+Markit, Filter Type="BAND PASS FILTER", Height=9.4mm, Input Impedance=50R, Insertion Loss-Max=3dB, JESD-609 Code=e4, Length=30.48mm, Manufacturer Part Number=BPF-E16+, Mounting Technology="Surface Mount", Output Impedance=50R, Pricing 1="1=36,35, 10=33,312, 50=31,8 (USD)", Reach SVHC Compliant=Yes, RoHS=Yes, RoHS Compliant=Yes, Stock 1=41, Supplier 1=Digikey, Terminal Finish=Gold, VSWR=1.9, Width=30.48mm
FLT2: "Band Pass Filter, 45MHz, 14 Pin(s)", Manufacturer=Mini-Circuits, Supplier Part Number 1=3157-BPF-C45+CT-ND, Manufacturer Part Number=BPF-C45+, Pricing 1="1=48,49, 10=45,456, 25=42,4204, 50=40,908, 100=39,3841 (USD)", RoHS=Yes, Stock 1=219, Supplier 1=Digikey
IC1: "Low Phase Noise, Dual Output Buffer/Driver/Logic Converter, CMOS Logic, In-Phase Outputs", Case=SON12, Manufacturer="LINEAR TECHNOLOGY", Author="CERN DEM JMW", Bonding=No, Component Type=Standard, ComponentHeight=0.8mm, CreateDate=08/08/2016, Device=LTC6957IDD-3#PBF, HelpURL=\\cern.ch\dfs\Applications\Altium\Datasheets\LTC6957IDD-3#PBF.pdf, LatestRevisionDate=07/12/2016, Manufacturer Part Number=LTC6957IDD-3#PBF, Mounted=Yes, PackageDescription="SON, 0.45mm Pitch; 12 Pin, 3.00mm W X 3.00mm L X 0.80mm H Body (w/Thermal tab 1.75 x 2.48mm), IPC Medium Density", Part Description="Low Phase Noise, Dual Output Buffer/Driver/Logic Converter, CMOS Logic, In-Phase Outputs", Part Number=LTC6957IDD-3#PBF, Pin Count=13, PressFit=No, Sense=No, SMD=Yes, Socket=No
IC2: "18V/3A DC/DC Module Synchronous Step-Down Regulator with Integrated Inductor", Case/Package=QFN, Manufacturer="Monolithic Power Systems", Supplier Part Number 1=3358182, Category="Board Mount Modules", ComponentLink1Description=http://www.monolithicpower.com/pub/media/document/MPM3630_r1.0.pdf?src-supplier=Digikey, ComponentLink1URL=http://www.monolithicpower.com/pub/media/document/MPM3630_r1.0.pdf?src-supplier=Digikey, ComponentLink2Description=https://www.monolithicpower.com/pub/media/document/MPM3630_r1.0.pdf?src-supplier=Digikey, ComponentLink2URL=https://www.monolithicpower.com/pub/media/document/MPM3630_r1.0.pdf?src-supplier=Digikey, ComponentLink3Description=https://datasheet.octopart.com/MPM3630GQV-Z-Monolithic-Power-Systems-datasheet-140259359.pdf?src-supplier=Newark, ComponentLink3URL=https://datasheet.octopart.com/MPM3630GQV-Z-Monolithic-Power-Systems-datasheet-140259359.pdf?src-supplier=Newark, ComponentLink4Description=https://datasheet.octopart.com/MPM3630GQV-Z-Monolithic-Power-Systems-datasheet-81324618.pdf?src-supplier=Future+Electronics, ComponentLink4URL=https://datasheet.octopart.com/MPM3630GQV-Z-Monolithic-Power-Systems-datasheet-81324618.pdf?src-supplier=Future+Electronics, ComponentLink5Description=https://www.monolithicpower.com/DesktopModules/DocumentManage/API/Document/GetDocument?id=4863&src-supplier=Digikey, ComponentLink5URL=https://www.monolithicpower.com/DesktopModules/DocumentManage/API/Document/GetDocument?id=4863&src-supplier=Digikey, ComponentLink6Description=https://datasheet.octopart.com/MPM3630GQV-Z-Monolithic-Power-Systems-datasheet-155982336.pdf?src-supplier=Monolithic+Power+Systems, ComponentLink6URL=https://datasheet.octopart.com/MPM3630GQV-Z-Monolithic-Power-Systems-datasheet-155982336.pdf?src-supplier=Monolithic+Power+Systems, Manufacturer Part Number=MPM3630GQV-Z, Pins=18, RoHS=Yes, RoHS Compliant=Yes, Stock 1=4233, Supplier 1=Farnell
IC3: "Dual Operational Amplifier", Case=MSOP8, Manufacturer="ANALOG DEVICES", Manufacturer Part Number=ADA4522-2ARM, Author="CERN DEM BC", Bonding=No, Component Type=Standard, ComponentHeight=1.1mm, CreateDate=28.07.2017, Device=ADA4522-2ARMZ, HelpURL=\\cern.ch\dfs\Applications\Altium\Datasheets\ADA4522-2ARMZ.pdf, LatestRevisionDate=31.03.2022, Mounted=Yes, PackageDescription="SOP, 0.65mm Pitch; 8 Pin, 3.00mm W X 3.00mm L X 1.10mm H body, IPC Medium Density", Part Description="55V, EMI Enhanced, Zero Drift, Ultralow Noise, Dual Rail-to-Rail Output Operational Amplifier", Part Number=ADA4522-2ARMZ, Pin Count=8, PressFit=No, Sense=No, SMD=Yes, Socket=No
IC4 IC5: "20V, 200mA, Ultralow Noise, Ultrahigh PSRR RF Linear Regulator", Case=MSOP10, Manufacturer="LINEAR TECHNOLOGY", Author="CERN DEM MR", Bonding=No, Component Type=Standard, ComponentHeight=1.1mm, CreateDate=09/06/2016, Device=LT3042EMSE#PBF, HelpURL=\\cern.ch\dfs\Applications\Altium\Datasheets\LT3042EMSE#PBF.pdf, LatestRevisionDate=09/06/2016, Manufacturer Part Number=LT3042EMSE#PBF, Mounted=Yes, PackageDescription="SOP, 0.50mm, Pitch; 10 pin, 3.00mm W X 3.00mm L X 1.10mm H body (w/thermal tab  1.68 X 1.98 mm), IPC Medium Density", Part Description="20V, 200mA, Ultralow Noise, Ultrahigh PSRR RF Linear Regulator", Part Number=LT3042EMSE#PBF, Pin Count=11, PressFit=No, Sense=No, SMD=Yes, Socket=No
IC6: library part CMP-04948-000003-1, "LOW-POWER HIGH-ACCURACY ANALOG O", Ambient Temperature Range High=+150°C, Ambient Temperature Range Low=-40°C, Manufacturer="Texas Instruments", Max Supply Voltage=5.5V, Min Supply Voltage=2.3V, Operating Supply Current=9uA, Output Current=500uA, Package=DBZ0003A, Temperature="-40°C to +150°C", Accuracy=0.5%, Automotive=No, Category=IC, ComponentLink2Description=Datasheet, ComponentLink2URL=http://www.ti.com/lit/ds/symlink/tmp235.pdf, Device Class L1=Sensors, Device Class L2="Temperature and Humidity Sensors", Device Class L3=unset, Digikey Description="LOW-POWER HIGH-ACCURACY ANALOG O", Height=1.12mm, Lead Free=Yes, Manufacturer Part Number=TMP235A2DBZR, Max Junction Temp=+150°C, Mouser Description="±2°C Analog output temperature sensor, with 10mV /°C gain 3-SOT-23 -40 to 150", Octopart=https://octopart.com/tmp235a2dbzr-texas+instruments-94966376, Part Number=TMP235A2DBZR, RoHS=TRUE, Sensor Output="Analog Voltage", Standoff Height=0.01mm, Temperature Range High=+150°C, Temperature Range Low=-40°C
IC7: "0.25ppm Noise, Low Drift Precision Buffered Voltage Reference", Case=SSOP8, Manufacturer="LINEAR TECHNOLOGY", Author="CERN DEM BC", Bonding=No, Component Type=Standard, ComponentHeight=1.1mm, CreateDate=03/03/2016, Device=LTC6655BHMS8-3.3#PBF, HelpURL=\\cern.ch\dfs\Applications\Altium\Datasheets\LTC6655BHMS8-3.3#PBF.pdf, LatestRevisionDate=22/11/2016, Manufacturer Part Number=LTC6655BHMS8-3.3#PBF, Mounted=Yes, PackageDescription="SOP, 8-Leads, Body 3.1x3.1mm (max), Pitch 0.65mm, IPC Medium Density", Part Description="3V3, 0.25ppm Noise, Low Drift Precision Buffered Voltage Reference", Part Number=LTC6655BHMS8-3.3#PBF, Pin Count=8, PressFit=No, Sense=No, SMD=Yes, Socket=No
J1: library part MOLEX_39-30-0040, "Connector 4 Male", Manufacturer=MOLEX, Manufacturer Part Number=39-30-0040, Author="CERN DEM JLC", Component Type=Standard, ComponentHeight=11.4mm, CreateDate=2018-10-02, Family="Mini-Fit Jr.™", HelpURL=\\cern.ch\dfs\Applications\Altium\Datasheets\MOLEX_39-30-0040.pdf, LatestRevisionDate=2018-10-02, Mounted=Yes, Part Description="4.20mm (.165\") Pitch Mini-Fit Jr. Header, Dual Row, Right Angle with Snap-in Plastic Peg PCB Lock, 4 Circuits", Part Number=MOLEX_39-30-0040, Pin Count=4, PressFit=No, Sense=No, SMD=No, Socket=No, Status=None
J2: library part MOLEX_73251-2121, Manufacturer=MOLEX, Manufacturer Part Number=73251-2121, Author="CERN DEM JLC", Component Type=Standard, ComponentHeight=5.75mm, CreateDate=26.10.2016, Family=SMA, HelpURL=\\cern.ch\dfs\Applications\Altium\Datasheets\MOLEX_73251-2121.pdf, LatestRevisionDate=27.03.2017, Mounted=Yes, Part Description="50 Ohm, SMA Edge Mount PCB, With Jam Nut And Lock Washer", Part Number=MOLEX_73251-2121, Pin Count=5, PressFit=No, Sense=No, SMD=No, Socket=No, Status=None
J3: library part SWITCHCRAFT_712RA, "2.5 mm Center Pin, 5A, 48V, Right Angle, Through Hole, , DC Power Jack Connector", Manufacturer=SWITCHCRAFT, Manufacturer Part Number=712RA, Author="CERN DEM JLC", Component Type=Standard, ComponentHeight=13.8mm, CreateDate=2017-12-19, Family=Jack, HelpURL=\\cern.ch\dfs\Applications\Altium\Datasheets\SWITCHCRAFT_712RA.pdf, LatestRevisionDate=2017-12-19, Mounted=Yes, Part Description="2.5 mm Center Pin, 5A, 48VDC, Right Angle, Through Hole, Locking Power Jack Connector (Threaded Bushings)", Part Number=SWITCHCRAFT_712RA, Pin Count=3, PressFit=No, Sense=No, SMD=No, Socket=No, Status=None
J4: library part PHOENIX_1803303, "Connector 5 Male", Manufacturer="PHOENIX CONTACT", Manufacturer Part Number="1803303 (MC 1,5/ 5-G-3,81)", Author="CERN DEM JLC", Component Type=Standard, ComponentHeight=7.25mm, CreateDate=11.06.2013, HelpURL=\\cern.ch\dfs\Applications\Altium\Datasheets\PHOENIX_1803303.pdf, LatestRevisionDate=11.06.2013, Mounted=Yes, Part Description="8A 160 V, Pitch: 3.81mm, 5 Positions  Right Angled Header", Part Number=PHOENIX_1803303, Pin Count=5, PressFit=No, Sense=No, SMD=No, Socket=No, Status=None
J5: library part MOLEX_22-05-7028, "Connector 2 Male", Manufacturer=MOLEX, Manufacturer Part Number=22-05-7028, Author="CERN DEM JLC", Component Type=Standard, ComponentHeight=5.8mm, CreateDate=24.01.2011, Family=KK®, HelpURL=\\cern.ch\dfs\Applications\Altium\Datasheets\MOLEX_22-05-7028.pdf, LatestRevisionDate=24.01.2011, Mounted=Yes, Part Description="2.54mm (.100\") Pitch KK® Wire-To-Board Header, Right Angle, with Friction Lock, 2 Circuits", Part Number=MOLEX_22-05-7028, Pin Count=2, PressFit=No, Sense=No, SMD=No, Socket=No, Status=None
LD1 LD2 LD3: library part LED_KINGBRIGHT_KPH-1608CGCK, "LED Green 1C 2A", Manufacturer=KINGBRIGHT, Manufacturer Part Number=KPH-1608CGCK, Author="CERN DEM JLC", Bonding=No, Color=Green, Component Type=Standard, ComponentHeight=0.65mm, CreateDate=03/07/2017, HelpURL=\\cern.ch\dfs\Applications\Altium\Datasheets\LED_KINGBRIGHT_KPH-1608CGCK.pdf, LatestRevisionDate=03/07/2017, Mounted=Yes, PackageDescription="SMT Green LED, Case 0603, Body L 1.6 x W 0.8mm H 0.65mm", Part Description="SMD Green LED, Case 1.6mmX0.8mm(0603), 0.65mm Thickness", Part Number=LED_KINGBRIGHT_KPH-1608CGCK, Pin Count=2, PressFit=No, Sense=No, SMD=Yes, Socket=No
OSC1: library part OSC_25MHZ_TAITIEN_TXEAADSANF-25.000000, "Oscillator 4 pins 1=VC 2=GND 3=OUT 4=VDD", Author="CERN DEM HF", Bonding=No, Component Type=Standard, ComponentHeight=1mm, CreateDate=15.03.2022, HelpURL=\\cern.ch\dfs\Applications\Altium\Datasheets\OSC_TAITIEN_TX_TYPE.pdf, LatestRevisionDate=15.03.2022, Mounted=Yes, PackageDescription="Oscillator, Corner Concave, 4 Pin, 3.2mm L X 2.5mm W X 1mm H", Part Description=TCXO, Part Number=12-16MHz, Pin Count=4, PressFit=No, Sense=No, SMD=Yes, Socket=No
R1: library part R0603_75R_0.1%_0.063W_25PPM, "Resistor - 0.1%", Case=0603, Manufacturer=GENERIC, Manufacturer1 ComponentHeight=0.55mm, Manufacturer1 Example="TE CONNECTIVITY", Manufacturer1 Part Number=CPF0603B75RE1, Power=0.063W, Tolerance=±0.1%, Author="CERN DEM JLC", Component Type=Standard, CreateDate=11.01.2017, HelpURL=\\cern.ch\dfs\Applications\Altium\Datasheets\R0603_TYCO_CPF.pdf, LatestRevisionDate=11.01.2017, Manufacturer Part Number=R0603_75R_0.1%_0.063W_25PPM, Mounted=Yes, Part Description="Thin Film Chip Resistor", Part Number=R0603_75R_0.1%_0.063W_25PPM, Pin Count=2, PressFit=No, Sense=No, SMD=Yes, Socket=No, Status="Not Recommended", TC=±25ppm/°C
R2: library part R0402_36R_1%_0.0625W_100PPM, "Resistor - 0.1%", Case=0402, Manufacturer=GENERIC, Manufacturer1 ComponentHeight=0.4mm, Manufacturer1 Example="YAGEO PHYCOMP", Manufacturer1 Part Number=232270673609L, Manufacturer Part Number=R0402_36R_0.1%_0.0625W_50PPM, Part Number=R0402_36R5_0.1%_0.0625W_50PPM, Power=0.0625W, Tolerance=±0.1%, Author="CERN DEM JLC", Component Type=Standard, CreateDate=03.12.2007, HelpURL=\\cern.ch\dfs\Applications\Altium\Datasheets\R0402_Phycomp_RC0402.pdf, LatestRevisionDate=17.10.2012, Mounted=Yes, Part Description="General Purpose Thick Film Chip Resistor", Pin Count=2, PressFit=No, Sense=No, SMD=Yes, Socket=No, Status="Not Recommended", TC=±100ppm/°C
R3: library part R0603_100R_0.1%_0.1W_25PPM, "Resistor - 0.1%", Case=0603, Manufacturer=GENERIC, Manufacturer1 ComponentHeight=0.55mm, Manufacturer1 Example=PANASONIC, Manufacturer1 Part Number=ERA3AEB101V, Power=0.1W, Tolerance=±0.1%, Author="CERN DEM JLC", Component Type=Standard, CreateDate=11.01.2017, HelpURL=\\cern.ch\dfs\Applications\Altium\Datasheets\R0603_PANASONIC_ERA.pdf, LatestRevisionDate=11.01.2017, Manufacturer Part Number=R0603_100R_0.1%_0.1W_25PPM, Mounted=Yes, Part Description="Thin Film Chip Resistor", Part Number=R0603_100R_0.1%_0.1W_25PPM, Pin Count=2, PressFit=No, Sense=No, SMD=Yes, Socket=No, Status="Not Recommended", TC=±25ppm/°C